# Altium PCB ovo.pcbdoc (part 1 of 3) (continued)
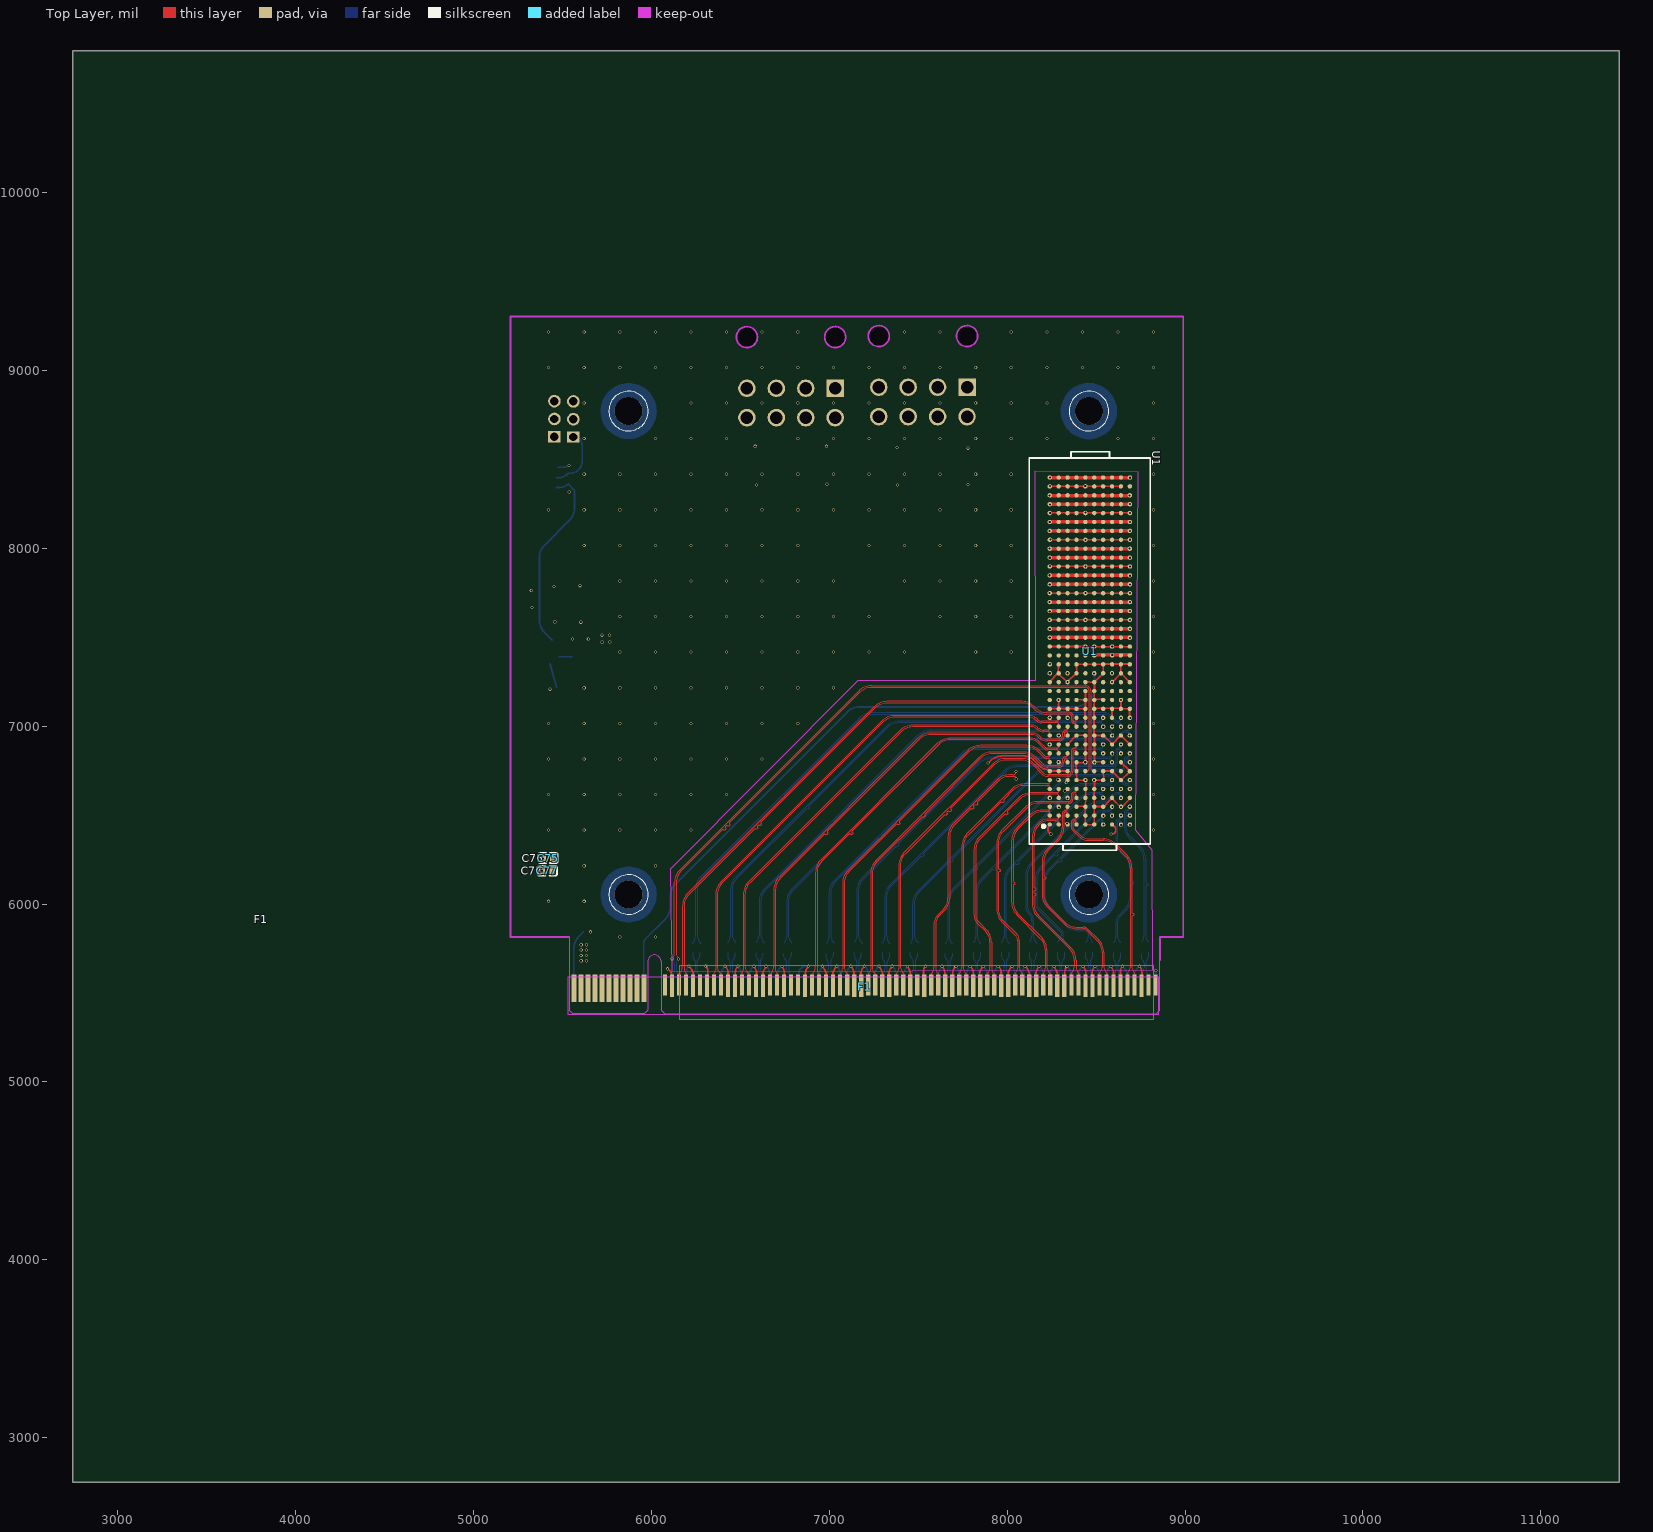
[diagram p0: Top Layer view]
## Design rules (kind name [scope] priority, off if disabled: settings) (continued)
Clearance copperThickness2oz [All] p1: gap=7 ignorepadtopadclearanceinfootprint=FALSE except(6: Track-SMDPad SMDPad-SMDPad Track-THPad SMDPad-THPad THPad-THPad Track-Via SMDPad-Via THPad-Via Via-Via SMDPad-Fill THPad-Fill Via-Fill Fill-Fill Track-Region SMDPad-Region THPad-Region Via-Region Region-Region Track-Poly SMDPad-Poly THPad-Poly Via-Poly Fill-Poly Region-Poly Poly-Poly Track-Text SMDPad-Text THPad-Text Via-Text Fill-Text Region-Text Poly-Text Text-Text; 6.9: Track-Hole SMDPad-Hole THPad-Hole Via-Hole Fill-Hole Region-Hole Poly-Hole Text-Hole Sheet-Hole; 8: Track-Track; 11.8: Track-Fill Fill-Region Track-Sheet SMDPad-Sheet THPad-Sheet Via-Sheet Fill-Sheet Region-Sheet Poly-Sheet Text-Sheet)
DiffPairsRouting differentialPair [All] p1: maxuncoupledlength=10 minlimit=4 maxlimit=4 mostfreqgap=4 toplayer_minwidth=5 toplayer_prefwidth=5.2 toplayer_maxwidth=100 bottomlayer_minwidth=5 bottomlayer_prefwidth=5.2 bottomlayer_maxwidth=100 midlayer1_minwidth=5 midlayer1_prefwidth=5.2 midlayer1_maxwidth=100 midlayer2_minwidth=5 midlayer2_prefwidth=5.2 midlayer2_maxwidth=100 midlayer3_minwidth=5 midlayer3_prefwidth=5.2 midlayer3_maxwidth=100 midlayer4_minwidth=5 midlayer4_prefwidth=5.2 midlayer4_maxwidth=100
PasteMaskExpansion pasteMaskExpansion [All] p1: expansion=0
PlaneConnect innerPlane [All] p1: planeconnectstyle=Relief reliefexpansion=20 reliefentries=4 reliefconductorwidth=10 reliefairgap=10
PolygonConnect copperRegion [All] p1: connectstyle=Relief reliefentries=4 reliefconductorwidth=10 polygonreliefangle="90 Angle" airgapwidth=10
RoutingVias viaSize [All] p1: viastyle="Through Hole" holewidth=11.8 minholewidth=10 maxholewidth=248.0316 width=17.7 minwidth=10 maxwidth=393.7008
SolderMaskExpansion solderMaskExpansion [All] p1: useseparateexpansions=TRUE expansion=2.0079 expansionbottom=2.0079
Width copperThickness1oz [All] p1: maxlimit=100 minlimit=5 preferedwidth=10
Width copperThickness2oz [All] p1: maxlimit=100 minlimit=8 preferedwidth=10

## Components (designator, comment, footprint, x,y, rotation, side; value= is the part's Value field where it differs from the comment)
C1 "CL05B224KO5NNNC" C0402 6432.27,5751.18 r90 bottom
C2 "CL05B224KO5NNNC" C0402 6471.58,5751.18 r90 bottom
C3 "CL05B224KO5NNNC" C0402 6589.72,5751.18 r90 bottom
C4 "CL05B224KO5NNNC" C0402 6629.06,5751.18 r90 bottom
C5 "CL05B224KO5NNNC" C0402 6747.17,5751.18 r90 bottom
C6 "CL05B224KO5NNNC" C0402 6786.54,5751.18 r90 bottom
C7 "CL05B224KO5NNNC" C0402 6983.22,5751.18 r90 bottom
C8 "CL05B224KO5NNNC" C0402 7022.59,5751.18 r90 bottom
C9 "CL05B224KO5NNNC" C0402 7140.87,5751.18 r90 bottom
C10 "CL05B224KO5NNNC" C0402 7180.03,5751.18 r90 bottom
C11 "CL05B224KO5NNNC" C0402 7298.35,5751.18 r90 bottom
C12 "CL05B224KO5NNNC" C0402 7337.72,5751.18 r90 bottom
C13 "CL05B224KO5NNNC" C0402 7455.96,5751.18 r90 bottom
C14 "CL05B224KO5NNNC" C0402 7495.33,5751.18 r90 bottom
C15 "CL05B224KO5NNNC" C0402 7652.68,5751.18 r90 bottom
C16 "CL05B224KO5NNNC" C0402 7692.05,5751.18 r90 bottom
C17 "CL05B224KO5NNNC" C0402 7810.07,5751.18 r90 bottom
C18 "CL05B224KO5NNNC" C0402 7849.43,5751.18 r90 bottom
C19 "CL05B224KO5NNNC" C0402 7967.51,5751.18 r90 bottom
C20 "CL05B224KO5NNNC" C0402 8006.88,5751.18 r90 bottom
C21 "CL05B224KO5NNNC" C0402 8124.96,5751.18 r90 bottom
C22 "CL05B224KO5NNNC" C0402 8164.49,5751.18 r90 bottom
C23 "CL05B224KO5NNNC" C0402 8282.6,5751.18 r90 bottom
C24 "CL05B224KO5NNNC" C0402 8321.97,5751.18 r90 bottom
C25 "CL05B224KO5NNNC" C0402 8440.06,5751.18 r90 bottom
C26 "CL05B224KO5NNNC" C0402 8479.45,5751.18 r90 bottom
C27 "CL05B224KO5NNNC" C0402 8597.56,5751.18 r90 bottom
C28 "CL05B224KO5NNNC" C0402 8636.68,5751.18 r90 bottom
C29 "CL05B224KO5NNNC" C0402 8755.05,5751.18 r90 bottom
C30 "CL05B224KO5NNNC" C0402 8794.42,5751.18 r90 bottom
C61 "CL05B224KO5NNNC" C0402 6235.36,5751.18 r90 bottom
C62 "CL05B224KO5NNNC" C0402 6274.92,5751.18 r90 bottom
C75 "GRM188R61E106MA73D" C0603 5421,6258.19 r0 top
C77 "GRM188R61E106MA73D" C0603 5416.69,6186.76 r0 top
C102 "GRM155R71H104KE14D" C0402 5538.36,8336.5 r90 bottom
C102 "GRM155R71H104KE14D" C0402 5452.18,7207.42 r0 bottom
C103 "GRM155R71H104KE14D" C0402 5539.54,8442.01 r270 bottom
C104 "RVT1C471M0607" CAP-SMD_BD6.3-L6.6-W6.6-LS7.6-RD 6588.5,8459.97 r270 bottom
C105 "RVT1C471M0607" CAP-SMD_BD6.3-L6.6-W6.6-LS7.6-RD 6984.55,8462.93 r270 bottom
C106 "RVT1C471M0607" CAP-SMD_BD6.3-L6.6-W6.6-LS7.6-RD 7380.6,8468.86 r270 bottom
C107 "RVT1C471M0607" CAP-SMD_BD6.3-L6.6-W6.6-LS7.6-RD 7776.65,8462.93 r270 bottom
C108 "CAP_0603" C0603 8211.14,8388.03 r180 bottom
C108 "CAP_0603" C0603 8721.74,7489.78 r0 bottom
C109 "CAP_0603" C0603 8211.17,8300.91 r180 bottom
C109 "CAP_0603" C0603 8212.27,8240.63 r180 bottom
C109 "CAP_0603" C0603 8212.01,8151.92 r180 bottom
C109 "CAP_0603" C0603 8211.49,8090.27 r180 bottom
C109 "CAP_0603" C0603 8210.19,8004.17 r180 bottom
C109 "CAP_0603" C0603 8210.71,7940.18 r180 bottom
C109 "CAP_0603" C0603 8211.49,7853.82 r180 bottom
C109 "CAP_0603" C0603 8210.45,7787.23 r180 bottom
C109 "CAP_0603" C0603 8211.49,7703.99 r180 bottom
C109 "CAP_0603" C0603 8212.27,7638.7 r180 bottom
C109 "CAP_0603" C0603 8213.31,7551.3 r180 bottom
C109 "CAP_0603" C0603 8213.31,7490.95 r180 bottom
C109 "CAP_0603" C0603 8719.18,8392.71 r0 bottom
C109 "CAP_0603" C0603 8721.91,8312.86 r0 bottom
C109 "CAP_0603" C0603 8719.05,8245.74 r0 bottom
C109 "CAP_0603" C0603 8721.39,8162.9 r0 bottom
C109 "CAP_0603" C0603 8719.31,8091.75 r0 bottom
C109 "CAP_0603" C0603 8720.61,8011.5 r0 bottom
C109 "CAP_0603" C0603 8719.05,7941.14 r0 bottom
C109 "CAP_0603" C0603 8721.52,7860.76 r0 bottom
C109 "CAP_0603" C0603 8721.39,7792.61 r0 bottom
C109 "CAP_0603" C0603 8720.09,7706.77 r0 bottom
C109 "CAP_0603" C0603 8720.61,7638.36 r0 bottom
C109 "CAP_0603" C0603 8720.94,7552.32 r0 bottom
C110 "CAP_0603" C0603 8491.64,7424.19 r90 bottom
C111 "CAP_0603" C0603 8589.96,7424.77 r90 bottom
C112 "CAP_0603" C0603 5297.97,7762.54 r0 bottom
C113 "CAP_0603" C0603 5303.9,7665.1 r0 bottom
F1 "Gold Finger CEMx16" "Gold Finger CEM GEN5x16" 7213.98,5892.91 r0 top
H2 "2.54-1*3P针" HDR-TH_3P-P2.54-V-M-1 5456.54,8725.65 r90 bottom
H3 "2.54-1*3P针" HDR-TH_3P-P2.54-V-M-1 5562.81,8724.16 r90 bottom
R5 "FRC0402F0000TS" R0402 5640.11,5844.34 r0 bottom
R11 "0402WGF1000TCE" R0402 8590.16,7280.25 r270 bottom
R12 "0402WGF1000TCE" R0402 8340.66,7279.29 r270 bottom
U1 "84740-102LF" CONN-SMD_400P-P1.27_84740-002LF 8465.08,7421.73 r270 top
U3 "X9357WR-2x04EH-LPSW" CONN-TH_8P-P4.20_XKB_X9357WR-2X04EH-N2SW 7527.21,8821.24 r0 bottom
U4 "X9357WR-2x04EH-LPSW" CONN-TH_8P-P4.20_XKB_X9357WR-2X04EH-N2SW 6786.15,8815.52 r0 bottom
U6 "AMS1117-1.8V" SOT-89-3_L4.5-W2.5-P1.50-LS4.1-BR 5396.66,8396.24 r0 bottom
U9 "SXM_MH" module_sxm2 7166.65,7411.68 r0 bottom
U107 "ZXDN10S1205SAW-NEWs" ZXDN10S1205SAW-NEWs 5557.43,7688.63 r270 bottom

## Footprints (in the part's own frame and the unit in brackets; to place one, negate y for a bottom-side part, rotate by r counter-clockwise, add the part's x,y. Pads: shape width x height; smd on the part's side, far side on the other; paste and mask are expansions set on the pad)
C0402 [mm]
  rect 0.79x0.54 smd: 1(-0.545,0) 2(0.545,0)
  silkscreen extent -1.17,-0.5 1.17,0.5
C0603 [mm]
  rect 0.8x0.9 smd: 1(-0.7,0) 2(0.7,0)
  silkscreen extent -1.39,-0.71 1.39,0.71
CAP-SMD_BD6.3-L6.6-W6.6-LS7.6-RD [mm]
  rect 3.5x1.2 smd: 1(-2.67,0) 2(2.67,0)
  silkscreen extent -3.38,-3.38 3.38,3.38
CONN-SMD_400P-P1.27_84740-002LF [mil]
  round 24.53 smd: A1(975,-225) A2(925,-225) A3(875,-225) A4(825,-225) A5(775,-225) A6(725,-225) A7(675,-225) A8(625,-225) A9(575,-225) A10(525,-225) A11(475,-225) A12(425,-225) A13(375,-225) A14(325,-225) A15(275,-225) A16(225,-225) A17(175,-225) A18(125,-225) A19(75,-225) A20(25,-225) A21(-25,-225) A22(-75,-225) A23(-125,-225) A24(-175,-225) A25(-225,-225) A26(-275,-225) A27(-325,-225) A28(-375,-225) A29(-425,-225) A30(-475,-225) A31(-525,-225) A32(-575,-225) A33(-625,-225) A34(-675,-225) A35(-725,-225) A36(-775,-225) A37(-825,-225) A38(-875,-225) A39(-925,-225) A40(-975,-225) B1(975,-175) B2(925,-175) B3(875,-175) B4(825,-175) B5(775,-175) B6(725,-175) B7(675,-175) B8(625,-175) B9(575,-175) B10(525,-175) B11(475,-175) B12(425,-175) B13(375,-175) B14(325,-175) B15(275,-175) B16(225,-175) B17(175,-175) B18(125,-175) B19(75,-175) B20(25,-175) B21(-25,-175) B22(-75,-175) B23(-125,-175) B24(-175,-175) B25(-225,-175) B26(-275,-175) B27(-325,-175) B28(-375,-175) B29(-425,-175) B30(-475,-175) B31(-525,-175) B32(-575,-175) B33(-625,-175) B34(-675,-175) B35(-725,-175) B36(-775,-175) B37(-825,-175) B38(-875,-175) B39(-925,-175) B40(-975,-175) C1(975,-125) C2(925,-125) C3(875,-125) C4(825,-125) C5(775,-125) C6(725,-125) C7(675,-125) C8(625,-125) C9(575,-125) C10(525,-125) C11(475,-125) C12(425,-125) C13(375,-125) C14(325,-125) C15(275,-125) C16(225,-125) C17(175,-125) C18(125,-125) C19(75,-125) C20(25,-125) C21(-25,-125) C22(-75,-125) C23(-125,-125) C24(-175,-125) C25(-225,-125) C26(-275,-125) C27(-325,-125) C28(-375,-125) C29(-425,-125) C30(-475,-125) C31(-525,-125) C32(-575,-125) C33(-625,-125) C34(-675,-125) C35(-725,-125) C36(-775,-125) C37(-825,-125) C38(-875,-125) C39(-925,-125) C40(-975,-125) D1(975,-75) D2(925,-75) D3(875,-75) D4(825,-75) D5(775,-75) D6(725,-75) D7(675,-75) D8(625,-75) D9(575,-75) D10(525,-75) D11(475,-75) D12(425,-75) D13(375,-75) D14(325,-75) D15(275,-75) D16(225,-75) D17(175,-75) D18(125,-75) D19(75,-75) D20(25,-75) D21(-25,-75) D22(-75,-75) D23(-125,-75) D24(-175,-75) D25(-225,-75) D26(-275,-75) D27(-325,-75) D28(-375,-75) D29(-425,-75) D30(-475,-75) D31(-525,-75) D32(-575,-75) D33(-625,-75) D34(-675,-75) D35(-725,-75) D36(-775,-75) D37(-825,-75) D38(-875,-75) D39(-925,-75) D40(-975,-75) E1(975,-25) E2(925,-25) E3(875,-25) E4(825,-25) E5(775,-25) E6(725,-25) E7(675,-25) E8(625,-25) E9(575,-25) E10(525,-25) E11(475,-25) E12(425,-25) E13(375,-25) E14(325,-25) E15(275,-25) E16(225,-25) E17(175,-25) E18(125,-25) E19(75,-25) E20(25,-25) E21(-25,-25) E22(-75,-25) E23(-125,-25) E24(-175,-25) E25(-225,-25) E26(-275,-25) E27(-325,-25) E28(-375,-25) E29(-425,-25) E30(-475,-25) E31(-525,-25) E32(-575,-25) E33(-625,-25) E34(-675,-25) E35(-725,-25) E36(-775,-25) E37(-825,-25) E38(-875,-25) E39(-925,-25) E40(-975,-25) F1(975,25) F2(925,25) F3(875,25) F4(825,25) F5(775,25) F6(725,25) F7(675,25) F8(625,25) F9(575,25) F10(525,25) F11(475,25) F12(425,25) F13(375,25) F14(325,25) F15(275,25) F16(225,25) F17(175,25) F18(125,25) F19(75,25) F20(25,25) F21(-25,25) F22(-75,25) F23(-125,25) F24(-175,25) F25(-225,25) F26(-275,25) F27(-325,25) F28(-375,25) F29(-425,25) F30(-475,25) F31(-525,25) F32(-575,25) F33(-625,25) F34(-675,25) F35(-725,25) F36(-775,25) F37(-825,25) F38(-875,25) F39(-925,25) F40(-975,25) G1(975,75) G2(925,75) G3(875,75) G4(825,75) G5(775,75) G6(725,75) G7(675,75) G8(625,75) G9(575,75) G10(525,75) G11(475,75) G12(425,75) G13(375,75) G14(325,75) G15(275,75) G16(225,75) G17(175,75) G18(125,75) G19(75,75) G20(25,75) G21(-25,75) G22(-75,75) G23(-125,75) G24(-175,75) G25(-225,75) G26(-275,75) G27(-325,75) G28(-375,75) G29(-425,75) G30(-475,75) G31(-525,75) G32(-575,75) G33(-625,75) G34(-675,75) G35(-725,75) G36(-775,75) G37(-825,75) G38(-875,75) G39(-925,75) G40(-975,75) H1(975,125) H2(925,125) H3(875,125) H4(825,125) H5(775,125) H6(725,125) H7(675,125) H8(625,125) H9(575,125) H10(525,125) H11(475,125) H12(425,125) H13(375,125) H14(325,125) H15(275,125) H16(225,125) H17(175,125) H18(125,125) H19(75,125) H20(25,125) H21(-25,125) H22(-75,125) H23(-125,125) H24(-175,125) H25(-225,125) H26(-275,125) H27(-325,125) H28(-375,125) H29(-425,125) H30(-475,125) H31(-525,125) H32(-575,125) H33(-625,125) H34(-675,125) H35(-725,125) H36(-775,125) H37(-825,125) H38(-875,125) H39(-925,125) H40(-975,125) J1(975,175) J2(925,175) J3(875,175) J4(825,175) J5(775,175) J6(725,175) J7(675,175) J8(625,175) J9(575,175) J10(525,175) J11(475,175) J12(425,175) J13(375,175) J14(325,175) J15(275,175) J16(225,175) J17(175,175) J18(125,175) J19(75,175) J20(25,175) J21(-25,175) J22(-75,175) J23(-125,175) J24(-175,175) J25(-225,175) J26(-275,175) J27(-325,175) J28(-375,175) J29(-425,175) J30(-475,175) J31(-525,175) J32(-575,175) J33(-625,175) J34(-675,175) J35(-725,175) J36(-775,175) J37(-825,175) J38(-875,175) J39(-925,175) J40(-975,175) K1(975,225) K2(925,225) K3(875,225) K4(825,225) K5(775,225) K6(725,225) K7(675,225) K8(625,225) K9(575,225) K10(525,225) K11(475,225) K12(425,225) K13(375,225) K14(325,225) K15(275,225) K16(225,225) K17(175,225) K18(125,225) K19(75,225) K20(25,225) K21(-25,225) K22(-75,225) K23(-125,225) K24(-175,225) K25(-225,225) K26(-275,225) K27(-325,225) K28(-375,225) K29(-425,225) K30(-475,225) K31(-525,225) K32(-575,225) K33(-625,225) K34(-675,225) K35(-725,225) K36(-775,225) K37(-825,225) K38(-875,225) K39(-925,225) K40(-975,225)
  silkscreen extent -1120,-340 1120,340
CONN-TH_8P-P4.20_XKB_X9357WR-2X04EH-N2SW [mm]
  rect 2.5x2.5 hole 1.8: 1(6.3,-2.1)
  round 2.5 hole 1.8: 2(2.1,-2.1) 3(-2.1,-2.1) 4(-6.3,-2.1) 5(6.3,2.1) 6(2.1,2.1) 7(-2.1,2.1) 8(-6.3,2.1)
  Board Outline Layer circle w0.005: c6.3,-9.4 r1.5
  Board Outline Layer circle w0.005: c-6.3,-9.4 r1.5
  Board Outline Layer circle w0.254: c6.3,-9.4 r1.5
  Board Outline Layer circle w0.254: c-6.3,-9.4 r1.5
  Multi-Layer board cut-out: 7.8,-9.4 7.596,-10.146 7.047,-10.69 6.3,-10.89 5.553,-10.69 5.004,-10.146 4.8,-9.4 4.8,-9.4 5.004,-8.654 5.553,-8.109 6.3,-7.91 7.047,-8.109 7.596,-8.654 7.8,-9.4
  Multi-Layer board cut-out: -4.8,-9.4 -5.004,-10.146 -5.553,-10.69 -6.3,-10.89 -7.047,-10.69 -7.596,-10.146 -7.8,-9.4 -7.8,-9.4 -7.596,-8.654 -7.047,-8.109 -6.3,-7.91 -5.553,-8.109 -5.004,-8.654 -4.8,-9.4
  silkscreen extent -9,-16 9,0.76
"Gold Finger CEM GEN5x16" [mm]
  rect 0.7x3.2 smd far side: A1(-41.858,-8.949)
  rect 0.7x3.91 smd far side: A2(-40.858,-9.304) A3(-39.858,-9.304) A4(-38.858,-9.304) A5(-37.858,-9.304) A6(-36.858,-9.304) A7(-35.858,-9.304) A8(-34.858,-9.304) A9(-33.858,-9.304) A10(-32.858,-9.304) A11(-31.858,-9.304)
  rect 0.6x3.2 smd far side: A12(-28.858,-8.949) A15(-25.858,-8.949) A18(-22.858,-8.949) A20(-20.858,-8.949) A23(-17.858,-8.949) A24(-16.858,-8.949) A27(-13.858,-8.949) A28(-12.858,-8.949) A31(-9.858,-8.949) A34(-6.858,-8.949) A37(-3.858,-8.949) A38(-2.858,-8.949) A41(0.142,-8.949) A42(1.142,-8.949) A45(4.142,-8.949) A46(5.142,-8.949) A49(8.142,-8.949) A51(10.142,-8.949) A54(13.142,-8.949) A55(14.142,-8.949) A58(17.142,-8.949) A59(18.142,-8.949) A62(21.142,-8.949) A63(22.142,-8.949) A66(25.142,-8.949) A67(26.142,-8.949) A70(29.142,-8.949) A71(30.142,-8.949) A74(33.142,-8.949) A75(34.142,-8.949) A78(37.142,-8.949) A79(38.142,-8.949) A82(41.142,-8.949)
  rect 0.6x3 smd far side: A13(-27.858,-8.849) A14(-26.858,-8.849) A16(-24.858,-8.849) A17(-23.858,-8.849) A19(-21.858,-8.849) A21(-19.858,-8.849) A22(-18.858,-8.849) A25(-15.858,-8.849) A26(-14.858,-8.849) A29(-11.858,-8.849) A30(-10.858,-8.849) A32(-8.858,-8.849) A33(-7.858,-8.849) A35(-5.858,-8.849) A36(-4.858,-8.849) A39(-1.858,-8.849) A40(-0.858,-8.849) A43(2.142,-8.849) A44(3.142,-8.849) A47(6.142,-8.849) A48(7.142,-8.849) A50(9.142,-8.849) A52(11.142,-8.849) A53(12.142,-8.849) A56(15.142,-8.849) A57(16.142,-8.849) A60(19.142,-8.849) A61(20.142,-8.849) A64(23.142,-8.849) A65(24.142,-8.849) A68(27.142,-8.849) A69(28.142,-8.849) A72(31.142,-8.849) A73(32.142,-8.849) A76(35.142,-8.849) A77(36.142,-8.849) A80(39.142,-8.849) A81(40.142,-8.849)
  rect 0.7x3.91 smd: B1(-41.858,-9.304) B2(-40.858,-9.304) B3(-39.858,-9.304) B4(-38.858,-9.304) B5(-37.858,-9.304) B6(-36.858,-9.304) B7(-35.858,-9.304) B8(-34.858,-9.304) B9(-33.858,-9.304) B10(-32.858,-9.304) B11(-31.858,-9.304)
  rect 0.6x3 smd: B12(-28.858,-8.849) B14(-26.858,-8.849) B15(-25.858,-8.849) B17(-23.858,-8.849) B19(-21.858,-8.849) B20(-20.858,-8.849) B23(-17.858,-8.849) B24(-16.858,-8.849) B27(-13.858,-8.849) B28(-12.858,-8.849) B30(-10.858,-8.849) B31(-9.858,-8.849) B33(-7.858,-8.849) B34(-6.858,-8.849) B37(-3.858,-8.849) B38(-2.858,-8.849) B41(0.142,-8.849) B42(1.142,-8.849) B45(4.142,-8.849) B46(5.142,-8.849) B48(7.142,-8.849) B50(9.142,-8.849) B51(10.142,-8.849) B54(13.142,-8.849) B55(14.142,-8.849) B58(17.142,-8.849) B59(18.142,-8.849) B62(21.142,-8.849) B63(22.142,-8.849) B66(25.142,-8.849) B67(26.142,-8.849) B70(29.142,-8.849) B71(30.142,-8.849) B74(33.142,-8.849) B75(34.142,-8.849) B78(37.142,-8.849) B79(38.142,-8.849) B81(40.142,-8.849) B82(41.142,-8.849)
  rect 0.6x3.2 smd: B13(-27.858,-8.949) B16(-24.858,-8.949) B18(-22.858,-8.949) B21(-19.858,-8.949) B22(-18.858,-8.949) B25(-15.858,-8.949) B26(-14.858,-8.949) B29(-11.858,-8.949) B32(-8.858,-8.949) B35(-5.858,-8.949) B36(-4.858,-8.949) B39(-1.858,-8.949) B40(-0.858,-8.949) B43(2.142,-8.949) B44(3.142,-8.949) B47(6.142,-8.949) B49(8.142,-8.949) B52(11.142,-8.949) B53(12.142,-8.949) B56(15.142,-8.949) B57(16.142,-8.949) B60(19.142,-8.949) B61(20.142,-8.949) B64(23.142,-8.949) B65(24.142,-8.949) B68(27.142,-8.949) B69(28.142,-8.949) B72(31.142,-8.949) B73(32.142,-8.949) B76(35.142,-8.949) B77(36.142,-8.949) B80(39.142,-8.949)
  Board Outline Layer lines w0.152: -42.508,-12.449 -42.008,-12.949 ; -42.508,-12.449 -42.008,-12.949 ; -42.508,-12.449 -42.508,-2.024 -42.508,-12.449 ; -42.008,-12.949 -31.808,-12.949 ; -42.008,-12.949 -31.808,-12.949 ; -31.808,-12.949 -31.308,-12.449 ; -31.808,-12.949 -31.308,-12.449 ; -31.308,-12.449 -31.308,-5.499 ; -31.308,-12.449 -31.308,-5.499 ; -31.308,-5.499 cw(c-30.358,-5.499) -29.408,-5.499 ; -31.308,-5.499 cw(c-30.358,-5.499) -29.408,-5.499 ; -29.408,-12.449 -29.408,-5.499 ; -29.408,-12.449 -28.908,-12.949 ; -29.408,-12.449 -29.408,-5.499 ; -29.408,-12.449 -28.908,-12.949 ; -28.908,-12.949 41.292,-12.949 ; -28.908,-12.949 41.292,-12.949 ; 41.292,-12.949 41.792,-12.449 ; 41.292,-12.949 41.792,-12.449 ; 41.792,-12.449 41.792,-5.344 41.792,-12.449
HDR-TH_3P-P2.54-V-M-1 [mm]
  rect 1.575x1.8 hole 1.2: 1(-2.54,0)
  round 1.8 hole 1.2: 2(0,0) 3(2.54,0)
  silkscreen extent -3.81,-1.27 3.81,1.27
module_sxm2 [mil]
  round 158 hole 158 unplated: MH2(1293.31,1358.27) MH3(-1293.31,1358.27) MH6(1293.31,-1358.26) MH7(-1293.31,-1358.26)
  Top Layer region: -1135.82,1358.27 -1157.2,1279.89 -1214.81,1222.59 -1293.3,1201.64 -1371.8,1222.6 -1429.4,1279.89 -1450.78,1358.28 -1450.78,1358.28 -1429.4,1436.66 -1371.8,1493.95 -1293.3,1514.91 -1214.8,1493.95 -1157.2,1436.66 -1135.83,1358.27
  Top Layer region: -1135.82,-1358.26 -1157.2,-1436.65 -1214.81,-1493.94 -1293.3,-1514.9 -1371.8,-1493.94 -1429.4,-1436.65 -1450.78,-1358.26 -1450.78,-1358.26 -1429.4,-1279.88 -1371.8,-1222.58 -1293.3,-1201.63 -1214.81,-1222.58 -1157.2,-1279.88 -1135.82,-1358.26
  Top Layer region: 1450.78,-1358.26 1435.19,-1426.59 1391.49,-1481.38 1328.35,-1511.79 1258.27,-1511.79 1195.12,-1481.38 1151.43,-1426.59 1135.83,-1358.26 1135.83,-1358.26 1151.43,-1289.94 1195.12,-1235.14 1258.27,-1204.73 1328.35,-1204.73 1391.49,-1235.14 1435.19,-1289.94 1450.78,-1358.26
  Top Layer region: 1450.78,1358.27 1435.19,1289.95 1391.49,1235.15 1328.35,1204.74 1258.26,1204.75 1195.12,1235.15 1151.42,1289.95 1135.83,1358.28 1135.83,1358.28 1151.43,1426.6 1195.12,1481.4 1258.27,1511.8 1328.35,1511.8 1391.49,1481.39 1435.19,1426.6 1450.78,1358.27
  silkscreen extent -2756,-1535 2756,1535
R0402 [mm]
  rect 0.566x0.54 smd: 1(-0.433,0) 2(0.433,0)
  silkscreen extent -0.94,-0.5 0.94,0.5
SOT-89-3_L4.5-W2.5-P1.50-LS4.1-BR [mm]
  oval 1.9x0.7 smd: 1(1.25,-1.501) 3(1.25,1.501)
  oval 3.5x2 smd: 2(-1.25,0)
  oval 2.1x0.7 smd: 2(1.151,0)
  silkscreen extent -1.85,-2.61 1.68,2.3
ZXDN10S1205SAW-NEWs [mm]
  rect 1x4 smd: 1(-5.08,-1.15) 2(-2.54,-1.15) 3(0,-1.15) 4(2.54,-1.15) 5(5.08,-1.15) 6(7.62,-1.15)
  rect 1.8x1.8 smd: 1(-5.08,2.54) 2(-2.54,2.54) 3(0,2.54) 4(2.54,2.54) 5(5.08,2.54) 6(7.62,2.54)
  silkscreen extent -7.04,-4.42 9.46,5.08

## Via types
v1: diameter 17.7, hole 11.8, Top Layer to Bottom Layer, 365 vias

## Nets (pads, with @x,y where several pads share a name; then routed paths per layer and width w, separated by ;. In a path a pad name is that pad's centre, name@x,y a point inside that pad or via, vN(x,y) a via of type N, cw(c..) or ccw(c..) an arc to the next point about the centre after c; other vN are vias at no path point)
+1V8: C103.2 H2.1 H3.1 U6.2 | length 326.3
  Bottom Layer w10: U6.2@5466.98,8395.42 5476.94,8395.42 ccw(c5476.94,8477.35) C103.2@5534.88,8419.42 ; C103.2@5537.22,8421.07 5546.29,8421.07 ccw(c5546.29,8485.85) 5592.09,8440.04 ccw(c5542.57,8489.56) 5612.6,8489.56 5612.6,8575.77 ccw(c5547.82,8575.77) H3.1@5593.63,8621.57
+3V3: F1.A9 F1.A10 F1.B8
+5V: C102.2@5538.36,8357.96 C110.1 C111.1 U1.F20 U1.G20 U1.H20 U1.J20 U1.K20 U6.3 U107.5 | length 1267.3
  Top Layer w20: U1.F20@8488.71,7401.36 8687.08,7401.36 cw(c8687.08,7391.37) U1.K20@8694.14,7398.43
  Bottom Layer w10: U107.5@5444.02,7482.9 5401.77,7525.15 cw(c5472.49,7595.86) 5372.49,7595.86 5372.49,7950.51 cw(c5461.78,7950.51) 5398.64,8013.65 5540.88,8155.89 ccw(c5470.17,8226.6) 5570.17,8226.6 5570.17,8312.87 ccw(c5544.17,8312.87) 5562.55,8331.25 C102.2@5536.32,8357.48 ; U6.3@5466.98,8340.99 5486.59,8340.99 ccw(c5486.59,8410.93) C102.2@5536.05,8361.48
  other v1: 8491.05,7399.02 8591.13,7400.19 5725.4,7470.86 5767.54,7473.2 5646.97,7489 5558.01,7489.59 5765.78,7510.07 5724.81,7510.66
+12V: C75.1 C77.1 C104.1 C105.1 C106.1 C107.1 C108.1 C109.1 C112.2 C113.2 F1.A2 F1.A3 F1.B1 F1.B2 F1.B3 U1.A22 U1.A23 U1.A25 U1.A26 U1.A28 U1.A29 U1.A31 U1.A32 U1.A34 U1.A35 U1.A37 U1.A38 U1.A40 U1.B22 U1.B23 U1.B25 U1.B26 U1.B28 U1.B29 U1.B31 U1.B32 U1.B34 U1.B35 U1.B37 U1.B38 U1.B40 U1.C22 U1.C23 U1.C25 U1.C26 U1.C28 U1.C29 U1.C31 U1.C32 U1.C34 U1.C35 U1.C37 U1.C38 U1.C40 U1.D22 U1.D23 U1.D25 U1.D26 U1.D28 U1.D29 U1.D31 U1.D32 U1.D34 U1.D35 U1.D37 U1.D38 U1.D40 U1.E22 U1.E23 U1.E25 U1.E26 U1.E28 U1.E29 U1.E31 U1.E32 U1.E34 U1.E35 U1.E37 U1.E38 U1.E40 U1.F22 U1.F23 U1.F25 U1.F26 U1.F28 U1.F29 U1.F31 U1.F32 U1.F34 U1.F35 U1.F37 U1.F38 U1.F40 U1.G22 U1.G23 U1.G25 U1.G26 U1.G28 U1.G29 U1.G31 U1.G32 U1.G34 U1.G35 U1.G37 U1.G38 U1.G40 U1.H22 U1.H23 U1.H25 U1.H26 U1.H28 U1.H29 U1.H31 U1.H32 U1.H34 U1.H35 U1.H37 U1.H38 U1.H40 U1.J22 U1.J23 U1.J25 U1.J26 U1.J28 U1.J29 U1.J31 U1.J32 U1.J34 U1.J35 U1.J37 U1.J38 U1.J40 U1.K22 U1.K23 U1.K25 U1.K26 U1.K28 U1.K29 U1.K31 U1.K32 U1.K34 U1.K35 U1.K37 U1.K38 U1.K40 U3.1 U3.2 U3.3 U4.1 U4.2 U4.3 U107.2 | length 5855.2
  Top Layer w20: U1.A35@8239.31,8145.31 cw(c8243.55,8141.07) 8243.55,8147.06 U1.K35@8689.97,8147.06 ; U1.A25@8239.5,7647.24 8685.23,7647.24 cw(c8685.23,7641.91) U1.K25@8689,7645.68 ; U1.A28@8239.5,7796.29 8687.89,7796.29 cw(c8687.89,7793.62) U1.K28@8689.78,7795.51 ; U1.A32@8239.5,7996.06 8688.05,7996.06 ccw(c8688.05,7997.39) U1.K32@8689,7996.45 ; U1.A26@8239.89,7696.79 ccw(c8243.66,7700.56) 8243.66,7695.23 U1.K26@8689.78,7695.23 ; U1.A29@8239.89,7846.23 cw(c8240.83,7845.29) 8240.83,7846.62 U1.K29@8690.17,7846.62 ; U1.A40@8239.89,8396.98 ccw(c8241.31,8398.39) 8241.31,8396.39 U1.K40@8692.9,8396.39 ; U1.A23@8240.28,7546.96 ccw(c8241.23,7547.9) 8241.23,7546.57 U1.K23@8690.17,7546.57 ; U1.A31@8240.28,7945.73 U1.K31@8689.78,7945.73 ; U1.A38@8240.48,8295.14 8687.14,8295.14 ccw(c8687.14,8299.13) U1.K38@8689.97,8296.31 ; U1.A34@8240.67,8096.34 U1.K34@8689,8096.34 ; U1.A22@8241.06,7498.97 8686.69,7498.97 cw(c8686.69,7489.64) U1.K22@8693.29,7496.24 ; U1.A37@8241.31,8246.61 8688.92,8246.61 ccw(c8688.92,8249.27) U1.K37@8690.8,8247.39
  other v1: 5606.93,5681.33 5636.93,5681.33 5606.93,5711.33 5636.93,5711.33 5606.93,5741.33 5636.93,5741.33 5606.93,5771.33 5636.93,5771.33 5387.6,6187.1 5391.7,6256.17 8690.23,7495.37 8240.14,7498.63 8239.75,7545.06 8691.57,7546.19 8239.75,7642.99 8690.23,7646.37 5330.18,7665.89 8239.36,7696.84 8690.23,7697.29 5326.67,7762.46 5455.15,7784.94 5600.58,7788.8 8240.14,7795.17 8690.81,7795.62 8690.23,7844.78 8238.58,7847.45 8239.75,7945.78 8690.81,7946.03 8239.36,7998.45 8689.06,7997.54 8239.36,8095.22 8690.81,8095.28 8690.81,8146.2 8240.14,8146.72 8240.53,8245.44 8690.81,8248.04 8238.97,8294.99 8689.06,8296.61 8690.81,8395.52 8240.53,8396.83 7780.12,8561.45 7380.67,8564.96 6585.28,8571.99 6984.73,8571.99
ADJ: C102.2@5473.64,7207.42 U107.6 | length 210.7
  Bottom Layer w10: 5431.7,7349.75 C102.2@5469.89,7215.42 ; U107.6@5483.95,7390.21 U107.6@5555.02,7389.25
CLK+: F1.A13 U1.F7 | length 3824.3
  Top Layer w5.2: v1(6118.06,5692.82) ccw(c6086.19,5724.7) 6131.26,5724.7 6131.26,6120.21 cw(c6231.26,6120.21) 6160.55,6190.92 7166.08,7196.45 cw(c7236.79,7125.74) 7236.79,7225.74 8442.8,7225.74 cw(c8442.8,7198.27) 8470.26,7198.27 8470.26,6769.88 ccw(c8470.4,6769.88) 8470.31,6769.78 cw(c8470.21,6769.68) 8470.35,6769.68 8470.35,6764.54 ccw(c8488.15,6764.54) 8488.15,6746.73 U1.F7@8490.08,6746.73
  Bottom Layer w5.2: F1.A13@6116.79,5598.71 6118.33,5600.25 ccw(c6088.13,5630.44) 6130.84,5630.44 6130.84,5661.99 ccw(c6087.23,5661.99) v1(6118.06,5692.82)
CLK-: F1.A14 U1.E7 | length 3825.7
  Top Layer w5.2: v1(6153.67,5691.55) cw(c6185.54,5723.43) 6140.46,5723.43 6140.46,6120.21 cw(c6231.26,6120.21) 6167.06,6184.41 6401.01,6418.36 6406.21,6418.36 6408.77,6415.79 6413.97,6415.79 6419.38,6421.2 6419.38,6426.4 6416.81,6428.97 6416.81,6434.17 6422.22,6439.57 6427.42,6439.57 6429.99,6437.01 6435.19,6437.01 6440.59,6442.41 6440.59,6447.61 6438.03,6450.18 6438.03,6455.38 7172.59,7189.94 cw(c7236.79,7125.74) 7236.79,7216.54 8442.8,7216.54 cw(c8442.8,7198.27) 8461.06,7198.27 8461.06,6767.93 cw(c8460.92,6767.93) 8461.02,6767.83 ccw(c8461.12,6767.73) 8460.98,6767.73 8460.98,6762.59 cw(c8445.13,6762.59) 8445.13,6746.73 U1.E7@8440.08,6746.73
  Bottom Layer w5.2: v1(6153.67,5691.55) 6152.15,5690.04 ccw(c6179.75,5662.44) 6140.72,5662.44 6140.72,5638.12 ccw(c6197.56,5638.12) F1.A14@6157.37,5597.93
EN: U107.1